# Allegro board BRD_05101_01_rev_b01_aa.brd (continued)
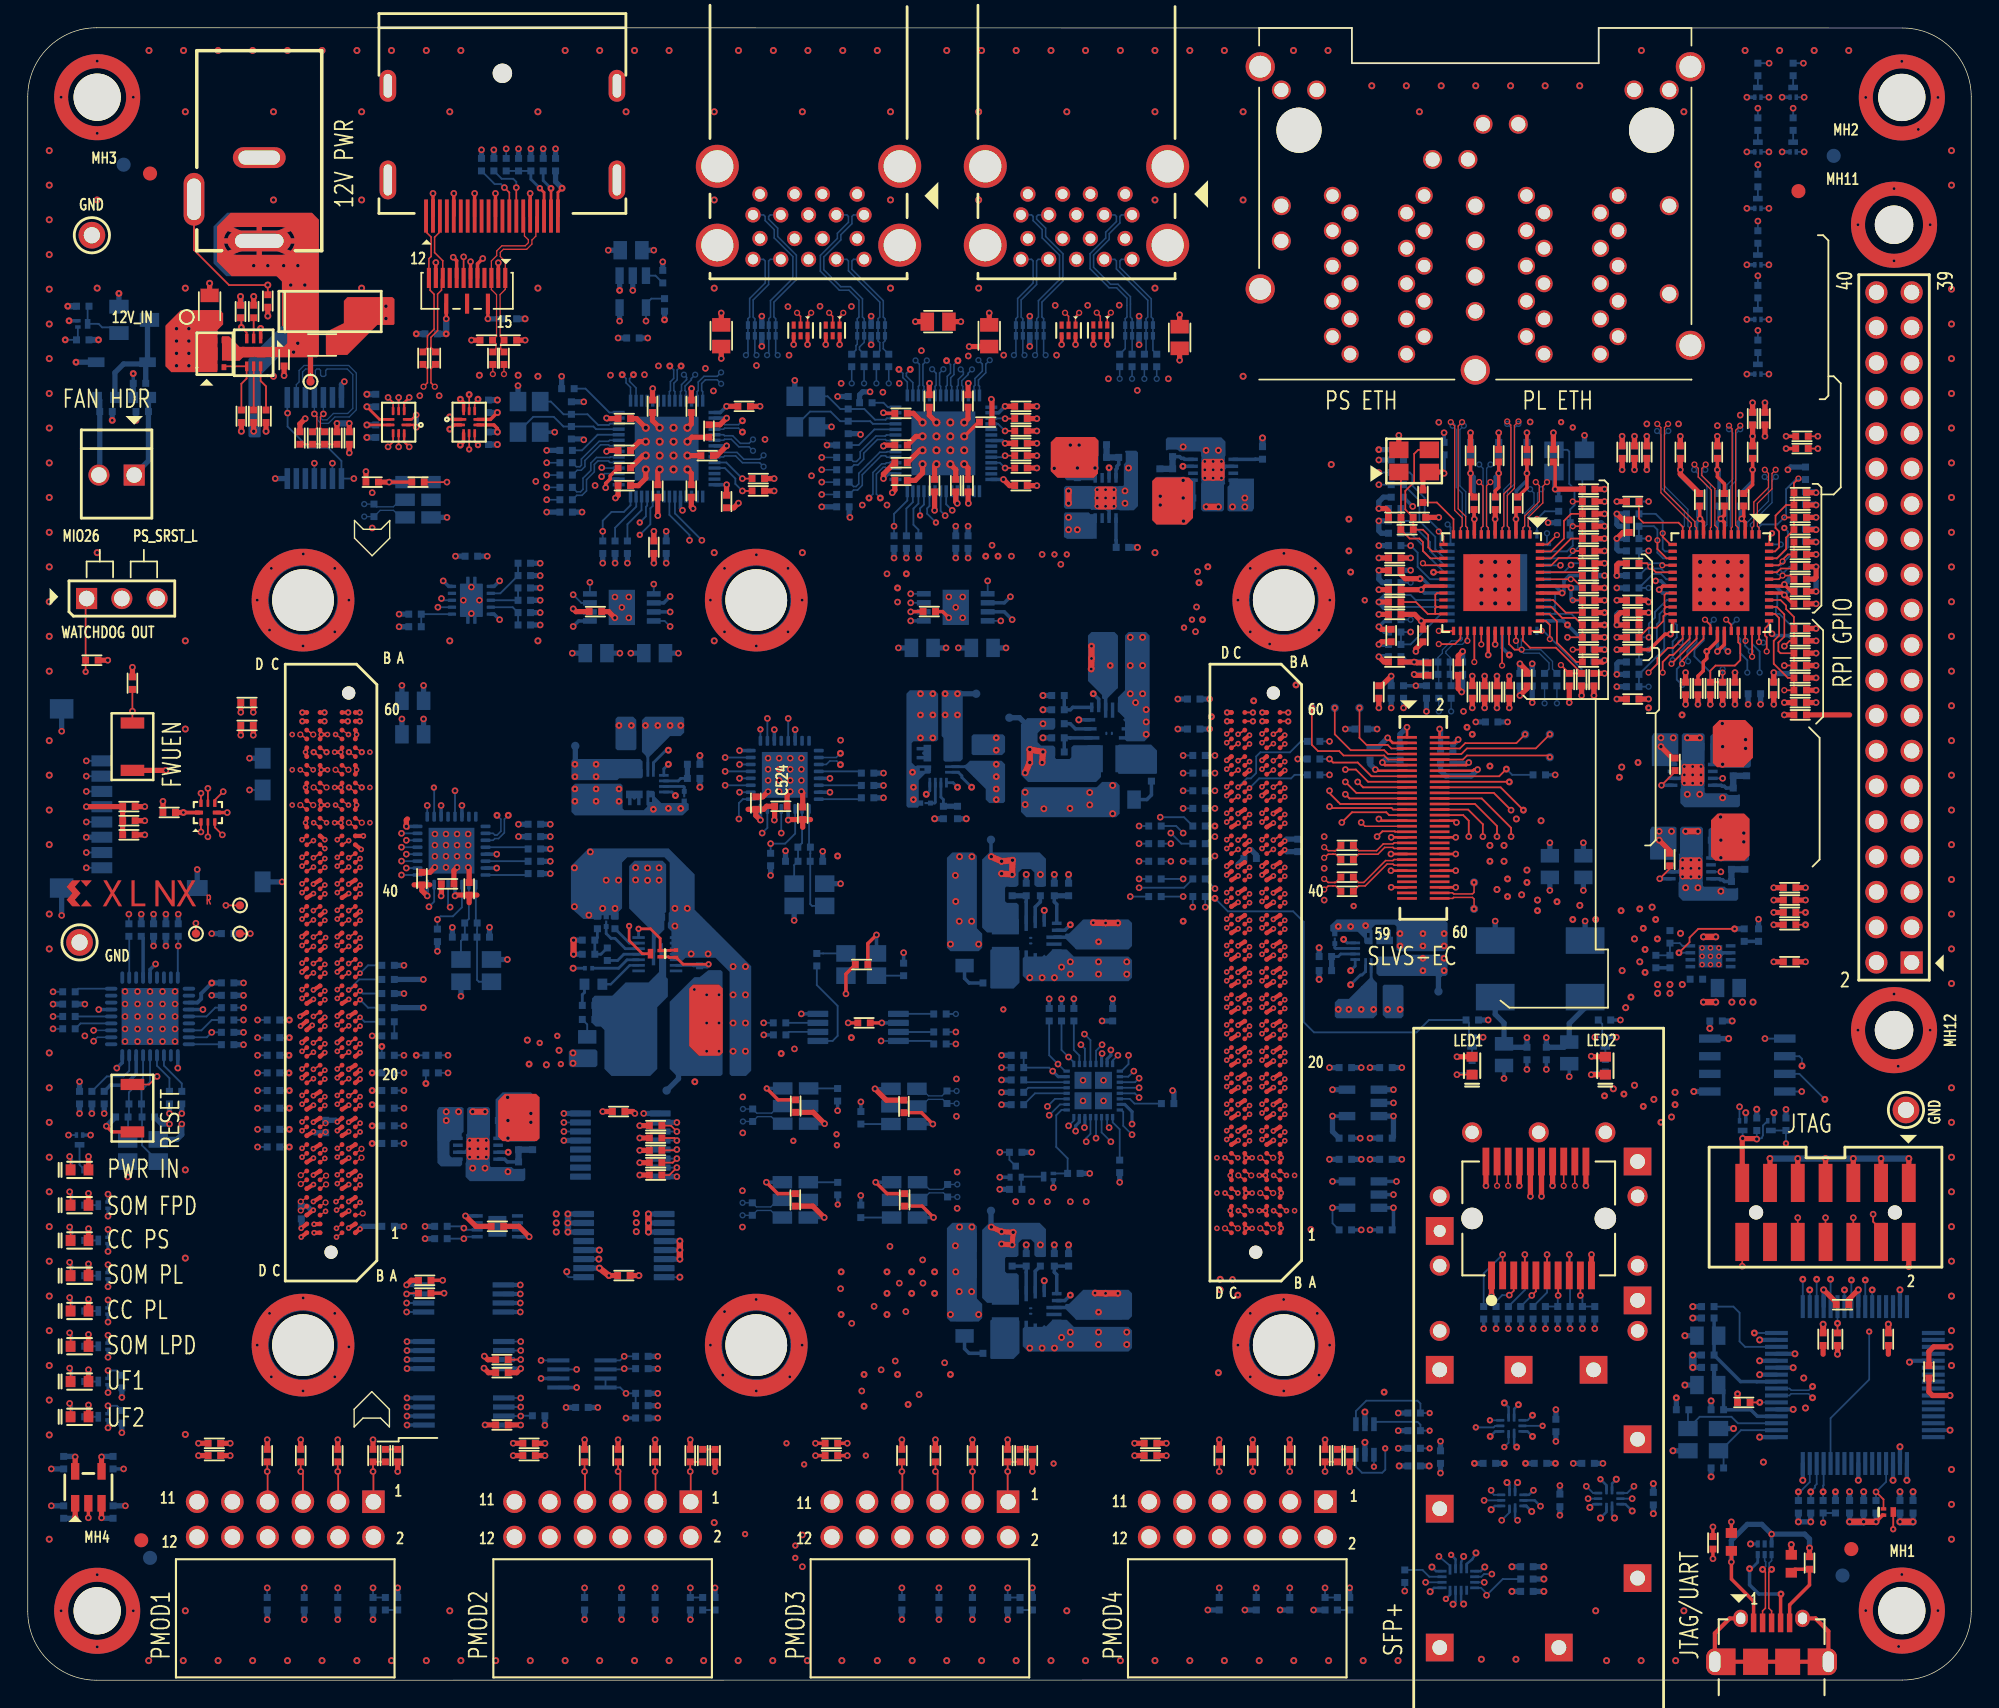
[diagram p0: board, top side]
## Routing (per net, layer and track width the routed paths; a pad name or vN(x,y) marks a point on that pad's centre or on a via; arc(x,y) is an arc through that point) (continued)
GEM2_LED0_CA: length 31.7
  L10_SIG w0.102: J10.B13 106.47,103.3 106.47,107.23 107.49,108.25 114.56,108.25 115.62,107.19 115.62,104.69 117.01,103.3 124.13,103.3 124.63,102.79 v5(124.63,101.14)
  BOTTOM w0.132: R371.2 v5(124.63,101.14)
GEM2_LED1_CA: length 14.9
  L10_SIG w0.102: J10.B12 119.42,107.36 125.4,107.36 127.17,109.14 v5(127.17,113.2)
  BOTTOM w0.132: R363.2 v5(127.17,113.2)
GEM2_RBIAS: length 6.4
  BOTTOM w0.132: R377.1 127.36,86.46 126.67,85.77 126.67,83.87 126.03,83.23 124.89,83.23 124.72,83.06 U79.12
GEM2_TD_A_N: length 39.7
  L12_SIG w0.091: J10.B1 107.96,105.83 107.84,105.71 106.73,105.71 105.46,104.44 105.46,95.8 106.35,94.92 106.35,93.9 107.74,92.5 110.41,92.5 112.95,89.96 112.95,89.07 114.09,87.93 117.27,87.93 117.9,88.57 117.9,89.68 v4(118.18,89.96)
  BOTTOM w0.094: U79.2 119.72,82.99 119.59,83.11 119.59,84.31 117.9,86 117.9,89.68 v4(118.18,89.96)
GEM2_TD_A_P: length 39.7
  L12_SIG w0.091: J10.B2 108.14,105.65 107.94,105.46 106.83,105.46 105.71,104.34 105.71,95.91 106.6,95.02 106.6,94 107.85,92.76 110.52,92.76 113.2,90.07 113.2,89.18 114.2,88.18 116.36,88.18 116.47,88.29 116.47,88.47 116.58,88.57 116.73,88.57 116.84,88.47 116.84,88.29 116.94,88.18 117.16,88.18 117.65,88.67 117.65,88.92 117.56,89.01 117.37,89.01 117.28,89.1 117.28,89.28 117.37,89.37 117.56,89.37 117.65,89.47 117.65,89.68 v4(117.37,89.96)
  BOTTOM w0.094: U79.1 119.22,82.99 119.34,83.11 119.34,84.21 117.65,85.9 117.65,89.68 v4(117.37,89.96)
GEM2_TD_B_N: length 39.5
  L12_SIG w0.091: J10.B3 107.96,103.29 107.87,103.2 106.91,103.2 106.47,102.77 106.47,96.21 107.36,95.32 107.36,94.43 108.15,93.65 110.54,93.65 112.44,91.74 118.94,91.74 119.93,90.75 119.93,89.56 117.9,87.53 117.9,86.44 118.19,86.15 120.3,86.15 120.57,86.42 120.57,86.89 v4(120.85,87.17)
  BOTTOM w0.094: U79.5 121.22,86.12 120.57,86.77 120.57,86.89 v4(120.85,87.17)
GEM2_TD_B_P: length 39.5
  L12_SIG w0.091: v4(120.04,87.17) 120.32,86.89 120.32,86.53 120.2,86.41 119.89,86.41 119.8,86.5 119.8,86.66 119.71,86.75 119.53,86.75 119.44,86.66 119.44,86.5 119.34,86.41 119.16,86.41 119.07,86.5 119.07,86.66 118.98,86.75 118.8,86.75 118.7,86.66 118.7,86.5 118.61,86.41 118.29,86.41 118.16,86.54 118.16,87.42 120.19,89.45 120.19,90.85 119.05,91.99 112.55,91.99 110.64,93.9 108.25,93.9 107.62,94.53 107.62,95.42 106.73,96.31 106.73,102.66 107.01,102.95 107.97,102.95 108.14,103.11 J10.B4
  BOTTOM w0.094: U79.4 120.72,82.99 120.96,83.24 120.96,86.01 120.32,86.66 120.32,86.89 v4(120.04,87.17)
GEM2_TD_C_N: length 31.3
  L12_SIG w0.091: v4(123.36,90.09) 123.09,90.37 123.09,90.6 119.79,93.9 113.31,93.9 111.81,95.4 111.81,100.35 110.15,102.01 109.22,102.01 109.05,101.84 J10.B5
  BOTTOM w0.094: U79.8 122.72,82.99 122.65,83.05 122.65,85.97 123.09,86.4 123.09,89.81 v4(123.36,90.09)
GEM2_TD_C_P: length 31.3
  L12_SIG w0.091: J10.B6 109.23,101.66 109.32,101.75 110.05,101.75 111.55,100.25 111.55,95.3 113.2,93.65 119.68,93.65 121.95,91.38 121.95,91.25 121.8,91.09 121.8,90.97 121.93,90.84 122.06,90.84 122.21,90.99 122.34,90.99 122.83,90.5 122.83,90.37 v4(122.55,90.09)
  BOTTOM w0.094: v4(122.55,90.09) 122.83,89.81 122.83,86.51 122.4,86.08 122.4,83.16 122.22,82.97 U79.7
GEM2_TD_D_N: length 32.2
  L12_SIG w0.091: J10.B7 109.05,99.3 109.22,99.47 110.03,99.47 110.79,98.7 110.79,95.15 112.93,93.01 119.28,93.01 121.08,91.21 121.08,89.18 121.82,88.44 125.25,88.44 125.65,88.04 125.65,86.94 v4(125.93,86.66)
  BOTTOM w0.094: v4(125.93,86.66) 125.65,86.38 125.65,84.8 124.09,83.25 124.09,83.11 124.22,82.99 U79.11
GEM2_TD_D_P: length 32.2
  L12_SIG w0.091: v4(125.12,86.66) 125.4,86.94 125.4,87.93 125.14,88.18 124.87,88.18 124.78,88.09 124.78,87.86 124.69,87.77 124.51,87.77 124.42,87.86 124.42,88.09 124.32,88.18 121.71,88.18 120.82,89.07 120.82,91.11 119.17,92.76 112.82,92.76 110.54,95.04 110.54,98.6 109.92,99.21 109.32,99.21 109.23,99.12 J10.B8
  BOTTOM w0.094: U79.10 123.72,82.99 123.84,83.11 123.84,83.35 125.4,84.91 125.4,86.38 v4(125.12,86.66)
GEM2_XTAL_IN: length 99.5
  L03_SIG w0.102: v6(73.96,81.07) 74.72,81.83 76.37,81.83 78.53,83.99 94.28,83.99 95.68,85.39 101.89,85.39 102.92,84.37 109.27,84.37 111.17,82.47 111.93,82.47 112.14,82.67 113.92,82.67 114.35,83.1 125.78,83.1 125.9,82.98 v6(126.54,82.98)
  L05_SIG w0.102: v5(66.86,45.82) 66.03,46.64 66.03,51.22 64.95,52.31 64.95,59.37 65.83,60.25 65.83,66.73 73.96,74.86 v6(73.96,81.07)
  BOTTOM w0.132: U79.15 126,80.79 126.79,81.58 126.79,82.72 v6(126.54,82.98) ; R478.2 v5(66.86,45.82)
GEM2_XTAL_IN_R: length 3.9
  BOTTOM w0.132: v5(61.47,46.04) U91.8 65.04,46.04 R478.1
GEM3_13_NC: length 1.2
  TOP w0.127: v3(117.78,82.6) 117.78,82.34 118.33,81.79 U80.13
GEM3_48_NC: length 0.9
  TOP w0.127: U80.48 125.44,82.39 v6(125.65,82.6)
GEM3_GPIO0: length 6.9
  TOP w0.127: v5(126.54,73.07) R390.1 R381.2 126.26,73.96 126.11,74.11 126.11,74.72 126.54,75.15 126.54,76.75 126,77.29 U80.39
GEM3_GPIO1: length 5
  TOP w0.127: U80.40 126.26,77.79 126.67,77.39 126.67,77.14 127.23,76.57 R380.2 R389.1 126.92,74.85 v5(126.54,74.47)
GEM3_INT_PWDN: length 2
  TOP w0.127: R379.2 127.1,80.06 126.28,80.06 126.02,79.79 U80.44
GEM3_JTAG: length 5.9
  TOP w0.127: U80.20 118.48,78.28 118.03,78.28 117.9,78.15 117.9,77.39 118,77.29 ; 118,77.29 117.9,77.19 117.9,76.88 117.99,76.79 ; 118,77.29 U80.22 ; 117.99,76.79 U80.23 ; 117.99,76.79 117.83,76.63 117.83,76.28 117.34,75.79 116.75,75.79 R397.2
GEM3_LED0_CA: length 21
  L10_SIG w0.102: J10.A13 113.25,112.05 116.3,109.01 120.44,109.01 v5(124.63,113.2)
  BOTTOM w0.132: R400.2 v5(124.63,113.2)
GEM3_LED1_CA: length 24.4
  L03_SIG w0.102: v5(125.44,116.45) 123.94,116.45 121.83,114.34 121.83,110.39 120.76,109.31 115.09,109.31 113.26,111.14 113.26,113.82 113.96,114.52 J10.A12
  BOTTOM w0.132: R388.2 v5(125.44,116.45)
GEM3_RBIAS: length 5.2
  TOP w0.127: R402.1 116.07,83.67 116.38,83.36 118.92,83.36 119.22,83.06 U80.12
GEM3_TD_A_N: length 40
  TOP w0.094: U80.2 124.22,82.99 124.34,83.11 124.34,84.84 125.4,85.9 125.4,86.91 v3(125.13,87.17)
  L03_SIG w0.091: v3(125.13,87.17) 125.4,87.43 125.4,87.65 125.3,87.74 125.12,87.74 125.03,87.83 125.03,88.02 125.12,88.11 125.3,88.11 125.4,88.2 125.4,88.38 125.3,88.47 125.12,88.47 125.03,88.56 125.03,88.75 125.12,88.84 125.3,88.84 125.4,88.93 125.4,89.11 125.78,89.5 125.78,93.26 126.54,94.03 126.54,98.98 125.9,99.61 124.25,99.61 121.84,102.03 121.84,105.46 119.87,107.42 116.47,107.42 115.67,108.23 113.69,108.23 113.38,107.92 113.38,107.01 113.47,106.92 J10.A1
GEM3_TD_A_P: length 39.9
  TOP w0.094: v3(125.91,87.17) 125.65,86.91 125.65,85.79 124.59,84.74 124.59,83.11 124.72,82.99 U80.1
  L03_SIG w0.091: v3(125.91,87.17) 125.65,87.43 125.65,89.01 126.03,89.39 126.03,93.16 126.79,93.92 126.79,99.08 126.01,99.87 124.36,99.87 122.09,102.13 122.09,105.56 119.98,107.68 116.58,107.68 115.77,108.48 113.59,108.48 113.13,108.02 113.13,106.91 113.29,106.74 J10.A2
GEM3_TD_B_N: length 33.7
  TOP w0.094: U80.5 122.72,82.99 122.78,83.05 122.78,90.12 v3(122.55,90.34)
  L03_SIG w0.091: v3(122.55,90.34) 122.83,90.06 122.83,89.85 122.74,89.76 122.45,89.76 122.36,89.66 122.36,89.48 122.45,89.39 122.74,89.39 122.83,89.3 122.83,88.91 122.61,88.69 121.33,88.69 120.95,89.07 120.95,92.76 122.09,93.9 122.09,99.87 118.76,103.2 114.65,103.2 114.56,103.29 J10.A3
GEM3_TD_B_P: length 33.7
  TOP w0.094: v3(123.36,90.34) 123.03,90.01 123.03,83.17 123.22,82.99 U80.4
  L03_SIG w0.091: v3(123.36,90.34) 123.09,90.06 123.09,88.81 122.72,88.44 121.23,88.44 120.7,88.97 120.7,92.86 121.84,94 121.84,99.76 118.66,102.95 114.55,102.95 114.38,103.11 J10.A4
GEM3_TD_C_N: length 28
  TOP w0.094: U80.8 121.22,82.99 121.28,83.05 121.28,85.71 120.34,86.65 120.34,87.27 v3(120.06,87.55)
  L03_SIG w0.091: J10.A5 114.56,100.75 114.68,100.63 115.62,100.63 116.51,99.74 116.51,95.55 119.93,92.12 119.93,89.33 118.41,87.8 118.41,86.66 118.79,86.28 119.04,86.28 119.14,86.37 119.14,86.64 119.23,86.73 119.41,86.73 119.5,86.64 119.5,86.37 119.59,86.28 119.86,86.28 120.34,86.76 120.34,87.27 v3(120.06,87.55)
GEM3_TD_C_P: length 28
  TOP w0.094: U80.7 121.72,82.97 121.54,83.16 121.54,85.82 120.59,86.76 120.59,87.27 v3(120.87,87.55)
  L03_SIG w0.091: v3(120.87,87.55) 120.59,87.27 120.59,86.66 119.96,86.03 118.69,86.03 118.16,86.56 118.16,87.91 119.68,89.43 119.68,92.02 116.25,95.45 116.25,99.64 115.51,100.38 114.58,100.38 114.38,100.57 J10.A6
GEM3_TD_D_N: length 24.9
  TOP w0.094: U80.11 119.72,82.99 119.84,83.11 119.84,83.33 117.65,85.52 117.65,90.21 v3(117.39,90.47)
  L03_SIG w0.091: v3(117.39,90.47) 117.65,90.73 117.65,91.36 115.62,93.39 112.57,93.39 111.68,94.28 111.68,98.7 112.44,99.47 113.31,99.47 113.47,99.3 J10.A7
GEM3_TD_D_P: length 24.9
  TOP w0.094: v3(118.17,90.47) 117.9,90.21 117.9,85.62 120.09,83.43 120.09,83.11 120.22,82.99 U80.10
  L03_SIG w0.091: J10.A8 113.29,99.12 113.2,99.21 112.55,99.21 111.93,98.6 111.93,94.39 112.67,93.65 115.72,93.65 117.36,92.01 117.49,92.01 117.66,92.17 117.79,92.17 117.92,92.05 117.92,91.92 117.75,91.75 117.75,91.62 117.9,91.46 117.9,90.73 v3(118.17,90.47)
GEM3_XTAL_IN: length 87.8
  TOP w0.127: v3(117.39,82.09) 117.39,81.45 118.06,80.79 U80.15
  L03_SIG w0.102: v3(117.39,82.09) 117.39,82.34 117.01,82.72 115.62,82.72 114.65,81.76 112.14,81.76 111.93,81.96 104.31,81.96 101.27,85.01 95.93,85.01 94.41,83.49 85.35,83.49 84.61,82.75 78.17,82.75 76.5,81.07 v6(74.85,81.07)
  L05_SIG w0.102: v5(66.86,46.68) 66.98,46.8 66.98,51.48 65.71,52.75 65.71,59.23 66.47,59.99 66.47,66.47 74.85,74.85 v6(74.85,81.07)
  BOTTOM w0.132: R480.2 v5(66.86,46.68)
GEM3_XTAL_IN_R: length 2.5
  BOTTOM w0.132: U91.7 62.72,46.68 R480.1
GTH_DP0_C2M_C_N: length 4.3
  TOP w0.114: J22.41 98.42,59.9 98.34,59.97 97.75,59.97 97.26,59.48 95.88,59.48 C547.2
GTH_DP0_C2M_C_P: length 4.3
  TOP w0.114: J22.39 98.42,60.3 98.34,60.22 97.65,60.22 97.16,59.74 95.88,59.74 C546.2
GTH_DP0_C2M_N: length 28.4
  TOP w0.114: JA2.B10 v3(89.71,37.62) ; v3(93.39,59.23) 93.68,59.48 94.21,59.48 C547.1
  L03_SIG w0.112: v3(89.71,37.62) 89.49,37.62 89.38,37.73 89.38,37.96 89.49,38.07 90.99,38.07 91.48,38.56 91.66,38.56 91.72,38.5 91.91,38.5 92.04,38.63 92.04,38.81 91.98,38.88 91.98,39.06 92.15,39.23 92.15,54.36 91.54,54.97 91.54,58.83 92.19,59.48 93.14,59.48 v3(93.39,59.23)
GTH_DP0_C2M_P: length 28.4
  TOP w0.114: v3(93.39,59.99) 93.68,59.74 94.21,59.74 C546.1 ; JA2.B9 v3(88.79,37.62)
  L03_SIG w0.112: v3(88.79,37.62) 89.01,37.62 89.12,37.73 89.12,38.07 89.38,38.33 90.88,38.33 91.89,39.34 91.89,54.25 91.28,54.86 91.28,58.94 92.08,59.74 93.14,59.74 v3(93.39,59.99)
GTH_DP0_M2C_N_NC: length 0.6
  TOP w0.114: JA2.D10 v1(87.17,37.62)
GTH_DP0_M2C_P_NC: length 0.6
  TOP w0.114: JA2.D9 v1(86.25,37.62)
GTH_DP1_C2M_C_N: length 4.7
  TOP w0.114: J22.47 98.42,58.7 98.34,58.77 97.92,58.77 96.34,57.2 95.88,57.2 C545.1
GTH_DP1_C2M_C_P: length 4.7
  TOP w0.114: J22.45 98.42,59.1 98.34,59.02 97.81,59.02 96.24,57.45 95.88,57.45 C544.1
GTH_DP1_C2M_N: length 39.1
  TOP w0.114: v3(93.39,56.94) 93.68,57.2 94.21,57.2 C545.2 ; JA2.D2 v3(87.17,32.54)
  L03_SIG w0.112: v3(87.17,32.54) 86.95,32.54 86.84,32.43 86.84,31.69 86.51,31.36 85.21,31.36 84.68,31.89 84.68,36.28 85.45,37.04 87.26,37.04 87.44,37.22 88.54,37.22 88.71,37.04 89.74,37.04 89.88,37.18 91.68,37.18 93.06,38.57 93.06,48.67 93.56,49.17 93.56,54.67 93.92,55.02 93.92,57.08 93.8,57.2 93.65,57.2 v3(93.39,56.94)
GTH_DP1_C2M_P: length 39.1
  TOP w0.114: v3(93.39,57.7) 93.68,57.45 94.21,57.45 C544.2 ; JA2.D1 v3(86.25,32.54)
  L03_SIG w0.112: v3(93.39,57.7) 93.65,57.45 93.91,57.45 94.17,57.19 94.17,54.91 93.82,54.56 93.82,49.07 93.32,48.56 93.32,38.46 91.78,36.93 89.99,36.93 89.85,36.79 88.61,36.79 88.43,36.97 87.54,36.97 87.37,36.79 85.55,36.79 84.93,36.17 84.93,33.44 85.06,33.3 85.18,33.3 85.31,33.17 85.31,32.99 85.18,32.86 85.06,32.86 84.93,32.73 84.93,32 85.31,31.62 86.41,31.62 86.58,31.8 86.58,32.43 86.47,32.54 v3(86.25,32.54)
GTH_DP1_M2C_N_NC: length 0.6
  TOP w0.114: JA2.C8 v3(88.13,36.35)
GTH_DP1_M2C_P_NC: length 0.6
  TOP w0.114: JA2.C7 v3(87.21,36.35)
GTH_DP2_C2M_N: length 33.2
  TOP w0.114: JA2.B2 v3(89.71,32.54) ; J23.12 v3(111.45,35.61)
  L03_SIG w0.112: v3(89.71,32.54) 89.49,32.54 89.38,32.65 89.38,32.95 89.49,33.07 89.8,33.07 89.91,32.96 90.68,32.96 97,26.64 103,26.64 104.7,28.34 107.06,28.34 108.78,30.07 108.78,30.88 111.17,33.27 111.17,35.33 v3(111.45,35.61)
GTH_DP2_C2M_P: length 33.2
  TOP w0.114: J23.13 v3(110.65,35.61) ; JA2.B1 v3(88.79,32.54)
  L03_SIG w0.112: v3(88.79,32.54) 89.01,32.54 89.12,32.65 89.12,33.06 89.38,33.32 89.9,33.32 90.01,33.21 90.78,33.21 91.05,32.95 91.12,32.95 91.45,32.61 91.45,32.54 97.1,26.89 102.89,26.89 104.59,28.6 106.96,28.6 108.53,30.17 108.53,30.99 110.92,33.38 110.92,35.33 v3(110.65,35.61)
GTH_DP2_M2C_N: length 28.5
  TOP w0.114: JA2.B6 v3(89.71,35.08) ; v3(105.85,35.61) J23.19
  L03_SIG w0.112: v3(89.71,35.08) 89.49,35.08 89.38,34.97 89.38,34.59 89.49,34.48 89.78,34.48 89.97,34.66 90.72,34.66 90.85,34.8 90.85,35.1 90.98,35.23 91.17,35.23 91.3,35.1 91.3,34.8 91.43,34.66 91.79,34.66 92.76,33.7 92.76,33.45 97.71,28.49 102.43,28.49 106.12,32.18 106.12,35.33 v3(105.85,35.61)
GTH_DP2_M2C_P: length 28.6
  TOP w0.114: v3(106.65,35.61) J23.18 ; JA2.B5 v3(88.79,35.08)
  L03_SIG w0.112: v3(106.65,35.61) 106.37,35.33 106.37,32.07 102.54,28.24 97.6,28.24 92.5,33.34 92.5,33.6 91.69,34.41 90.08,34.41 89.89,34.22 89.38,34.22 89.12,34.48 89.12,34.97 89.01,35.08 v3(88.79,35.08)
GTH_DP3_C2M_N_NC: length 0.6
  TOP w0.114: v1(87.17,35.08) JA2.D6
GTH_DP3_C2M_P_NC: length 0.6
  TOP w0.114: JA2.D5 v1(86.25,35.08)
GTH_DP3_M2C_N_NC: length 0.6
  TOP w0.114: JA2.A4 v1(90.67,33.81)
GTH_DP3_M2C_P_NC: length 0.6
  TOP w0.114: JA2.A3 v1(89.75,33.81)
GTH_REFCLK0_C2M_N: length 26.5
  TOP w0.094: JA2.C4 v1(88.13,33.81)
  L12_SIG w0.091: v1(88.13,33.81) 87.89,33.81 87.8,33.72 87.8,33.31 87.56,33.07 86.98,33.07 86.9,33.16 70.29,33.16 68.32,35.12 67.29,35.12 v4(66.96,34.8)
  BOTTOM w0.094: U90.5 64.44,34.59 64.94,35.1 65.97,35.1 R497.1 v4(66.96,34.8)
GTH_REFCLK0_C2M_P: length 26.5
  TOP w0.094: JA2.C3 v1(87.21,33.81)
  L12_SIG w0.091: v1(87.21,33.81) 87.45,33.81 87.54,33.72 87.54,33.42 87.45,33.33 87.09,33.33 87,33.41 86.09,33.41 85.98,33.52 85.98,33.63 85.87,33.73 85.72,33.73 85.61,33.63 85.61,33.52 85.51,33.41 70.39,33.41 68.42,35.38 67.29,35.38 v4(66.96,35.7)
  BOTTOM w0.094: v4(66.96,35.7) R497.2 65.92,35.35 64.94,35.35 64.44,35.86 U90.4
GTH_REFCLK1_C2M_N: length 38.7
  TOP w0.094: JA2.A8 v1(90.67,36.35)
  L12_SIG w0.091: v4(66.91,41.53) 66.59,41.85 64.95,41.85 64.04,40.95 64.04,39.34 64.66,38.72 67.9,38.72 69.49,37.13 73.58,37.13 75.39,35.32 82.34,35.32 84.14,37.13 89.08,37.13 89.19,37.24 89.19,37.37 89.3,37.48 89.45,37.48 89.56,37.37 89.56,37.24 89.66,37.13 89.97,37.13 90.34,36.76 90.34,36.44 90.43,36.35 v1(90.67,36.35)
  BOTTOM w0.094: v4(66.91,41.53) R493.1 65.92,41.83 64.87,41.83 64.36,41.32 U88.5
GTH_REFCLK1_C2M_P: length 38.7
  TOP w0.094: JA2.A7 v1(89.75,36.35)
  L12_SIG w0.091: v4(66.91,42.43) 66.59,42.11 64.84,42.11 63.79,41.05 63.79,39.23 64.56,38.46 67.8,38.46 69.38,36.88 73.47,36.88 75.28,35.07 82.44,35.07 84.25,36.88 89.87,36.88 90.08,36.66 90.08,36.44 89.99,36.35 v1(89.75,36.35)
  BOTTOM w0.094: v4(66.91,42.43) R493.2 65.87,42.08 64.89,42.08 64.38,42.59 U88.4
GTR_DP0_C2M_N: length 86.7
  TOP w0.094: v6(24.06,66.83) JA1.A56
  L12_SIG w0.091: v6(24.06,66.83) 23.82,66.83 23.73,66.74 23.73,66.37 23.82,66.27 24.97,66.27 25.39,66.7 25.39,66.85 25.3,66.94 25.3,67.09 25.41,67.2 25.56,67.2 25.65,67.11 25.8,67.11 25.91,67.22 25.91,67.37 25.82,67.46 25.82,67.61 25.93,67.71 26.08,67.71 26.17,67.63 26.32,67.63 26.94,68.25 35.4,68.25 38.99,71.83 87.38,71.83 87.9,72.35 92.12,72.35 93.43,71.04 93.43,69.79 93.81,69.41 100.46,69.41 100.66,69.21 101.85,69.21 101.96,69.32 101.96,69.68 101.87,69.77 v4(101.65,69.77)
  BOTTOM w0.094: C551.1 v4(101.65,69.77)
GTR_DP0_C2M_P: length 86.7
  TOP w0.094: v6(23.13,66.83) JA1.A55
  L12_SIG w0.091: v6(23.13,66.83) 23.38,66.83 23.47,66.74 23.47,66.26 23.71,66.02 25.07,66.02 27.04,67.99 35.51,67.99 39.09,71.58 87.48,71.58 88,72.1 92.01,72.1 93.17,70.94 93.17,69.69 93.71,69.15 100.36,69.15 100.55,68.96 101.96,68.96 102.22,69.22 102.22,69.67 102.31,69.77 v4(102.54,69.77)
  BOTTOM w0.094: C552.1 v4(102.54,69.77)
GTR_DP0_M2C_N: length 100
  TOP w0.094: v1(23.1,68.1) JA1.B58
  L12_SIG w0.091: v1(23.1,68.1) 22.86,68.1 22.77,68.19 22.77,68.69 22.15,69.3 22.15,69.52 22.26,69.63 22.58,69.63 22.69,69.73 22.69,69.88 22.58,69.99 22.26,69.99 22.15,70.1 22.15,71.9 23.42,73.17 72.96,73.17 75.65,75.86 80.99,75.86 83.66,73.19 93.47,73.19 95.87,70.79 100.17,70.79 101.41,72.04 103.22,72.04 103.99,71.27 104.91,71.27 105.07,71.43 108.25,71.43 108.78,70.9 109.49,70.9 109.58,70.8 109.58,70.44 109.49,70.35 v4(109.27,70.35)
  BOTTOM w0.094: C550.1 v4(109.27,70.35)
GTR_DP0_M2C_P: length 100
  TOP w0.094: v1(22.17,68.1) JA1.B57
  L12_SIG w0.091: v4(110.16,70.35) 109.93,70.35 109.84,70.44 109.84,70.91 109.59,71.15 108.88,71.15 108.35,71.68 104.96,71.68 104.8,71.52 104.1,71.52 103.33,72.29 101.31,72.29 100.06,71.05 95.97,71.05 93.58,73.44 83.77,73.44 81.09,76.11 75.54,76.11 72.85,73.42 23.31,73.42 21.9,72.01 21.9,69.2 22.51,68.58 22.51,68.19 22.42,68.1 v1(22.17,68.1)
  BOTTOM w0.094: C549.1 v4(110.16,70.35)
GTR_DP1_C2M_N_NC: length 0.6
  TOP w0.114: JA1.C56 v6(21.52,66.83)
GTR_DP1_C2M_P_NC: length 0.6
  TOP w0.114: JA1.C55 v6(20.59,66.83)
GTR_DP1_M2C_N: length 52.8
  TOP w0.114: JA1.A48 v3(24.06,61.75) ; v3(29.32,93.15) 29.04,93.43 29.04,94.44 C118.1
  L03_SIG w0.112: v3(24.06,61.75) 23.84,61.75 23.73,61.64 23.73,61.32 23.34,60.93 17.2,60.93 14.61,63.52 14.61,78.87 25.06,89.32 25.06,93.61 25.5,94.05 28.69,94.05 29.04,93.7 29.04,93.43 v3(29.32,93.15)
GTR_DP1_M2C_P: length 53
  TOP w0.114: v3(28.51,93.15) 28.79,93.43 28.79,94.44 C117.1 ; JA1.A47 v3(23.13,61.75)
  L03_SIG w0.112: v3(23.13,61.75) 23.36,61.75 23.47,61.64 23.47,61.43 23.23,61.18 19.18,61.18 19.05,61.32 19.05,61.64 18.93,61.75 18.75,61.75 18.6,61.61 18.6,61.32 18.47,61.18 18.28,61.18 18.15,61.32 18.15,61.71 18.02,61.84 17.84,61.84 17.7,61.71 17.7,61.32 17.57,61.18 17.31,61.18 14.87,63.63 14.87,78.76 25.32,89.21 25.32,93.5 25.61,93.79 28.59,93.79 28.79,93.59 28.79,93.43 v3(28.51,93.15)
GTR_DP2_C2M_C_N: length 5.3
  BOTTOM w0.114: C309.2 39.55,85.58 39.82,85.58 40,85.76 40,86.56 40.56,87.12 40.56,87.65 40.96,88.05 41.93,88.05 41.97,88.09 U43.48
GTR_DP2_C2M_C_P: length 5.3
  BOTTOM w0.114: U43.47 41.94,87.69 41.87,87.77 41.83,87.8 41.07,87.8 40.81,87.55 40.81,87.02 40.25,86.45 40.25,85.65 39.93,85.33 39.55,85.33 C310.2
GTR_DP2_C2M_N: length 34.1
  TOP w0.114: JA1.B54 v3(23.1,65.56)
  L03_SIG w0.112: v3(23.1,65.56) 22.88,65.56 22.77,65.45 22.77,65.27 22.88,65.15 24.16,65.15 24.4,65.4 24.4,65.58 24.31,65.67 24.31,65.85 24.44,65.99 24.63,65.99 24.72,65.9 24.9,65.9 25.29,66.29 25.29,78.31 28.11,81.13 28.11,83.34 30.36,85.58 37.07,85.58 v5(37.38,85.9)
  BOTTOM w0.114: C309.1 v5(37.38,85.9)
GTR_DP2_C2M_P: length 34.1
  TOP w0.114: JA1.B53 v3(22.17,65.56)
  L03_SIG w0.112: v3(22.17,65.56) 22.4,65.56 22.51,65.45 22.51,65.16 22.77,64.9 24.26,64.9 25.55,66.18 25.55,78.2 28.37,81.02 28.37,83.23 30.46,85.33 37.07,85.33 v5(37.38,85.01)
  BOTTOM w0.114: C310.1 v5(37.38,85.01)
GTR_DP2_M2C_C_N: length 4.5
  BOTTOM w0.114: U43.51 41.92,89.29 41.84,89.22 41.16,89.22 39.88,87.94 39.88,87.5 39.77,87.39 39.52,87.39 C315.2
GTR_DP2_M2C_C_P: length 4.5
  BOTTOM w0.114: U43.50 41.92,88.89 41.84,88.97 41.27,88.97 40.14,87.84 40.14,87.4 39.87,87.14 39.58,87.14 C316.2
GTR_DP2_M2C_N: length 37.1
  TOP w0.114: JA1.D58 v3(20.56,68.1)
  L03_SIG w0.112: v3(20.56,68.1) 20.34,68.1 20.23,67.99 20.23,67.5 19.95,67.23 18.74,67.23 18,67.96 18,70.3 24.05,76.35 24.05,78.71 26.84,81.5 26.84,84.5 29.7,87.36 37.07,87.36 v5(37.38,87.68)
  BOTTOM w0.114: v5(37.38,87.68) C315.1
GTR_DP2_M2C_P: length 37
  TOP w0.114: JA1.D57 v3(19.63,68.1)
  L03_SIG w0.112: v3(19.63,68.1) 19.86,68.1 19.97,67.99 19.97,67.61 19.85,67.48 18.84,67.48 18.26,68.07 18.26,68.32 18.39,68.45 18.59,68.45 18.72,68.58 18.72,68.76 18.59,68.89 18.39,68.89 18.26,69.02 18.26,69.21 18.39,69.34 18.59,69.34 18.72,69.47 18.72,69.66 18.59,69.79 18.39,69.79 18.26,69.92 18.26,70.2 24.3,76.24 24.3,78.61 27.1,81.4 27.1,84.4 29.81,87.1 37.07,87.1 v5(37.38,86.79)
  BOTTOM w0.114: v5(37.38,86.79) C316.1
GTR_DP3_C2M_C_N: length 5
  BOTTOM w0.114: U84.48 61.91,88.47 61.87,88.43 61.38,88.43 59.86,86.91 59.86,86.15 59.67,85.96 59.49,85.96 C534.2
GTR_DP3_C2M_C_P: length 5
  BOTTOM w0.114: U84.47 61.88,88.07 61.81,88.15 61.8,88.15 61.77,88.18 61.48,88.18 60.12,86.81 60.12,86.05 59.78,85.71 59.49,85.71 C535.2
GTR_DP3_C2M_N: length 57.4
  TOP w0.114: JA1.D50 v3(20.56,63.02)
  L03_SIG w0.112: v3(20.56,63.02) 20.34,63.02 20.23,62.91 20.23,62.67 20.34,62.56 20.77,62.56 20.82,62.6 21.95,62.6 22.11,62.43 22.78,62.43 22.95,62.6 23.82,62.6 24.08,62.86 24.27,62.86 24.53,62.6 24.72,62.6 24.97,62.86 25.16,62.86 25.42,62.6 25.75,62.6 33.24,70.1 33.24,79.68 34.71,81.15 40.91,81.15 44.9,85.14 48.69,85.14 50.34,83.49 55.41,83.49 56.16,84.23 56.16,85.5 56.61,85.96 56.88,85.96 v5(57.2,86.28)
  BOTTOM w0.114: C534.1 v5(57.2,86.28)
GTR_DP3_C2M_P: length 57.4
  TOP w0.114: JA1.D49 v3(19.63,63.02)
  L03_SIG w0.112: v5(57.2,85.39) 56.88,85.71 56.72,85.71 56.41,85.4 56.41,84.13 55.51,83.23 50.23,83.23 48.58,84.88 45,84.88 41.02,80.89 34.82,80.89 33.5,79.57 33.5,70 25.85,62.35 23.05,62.35 22.88,62.18 22.01,62.18 21.84,62.35 20.93,62.35 20.88,62.3 20.23,62.3 19.97,62.56 19.97,62.91 19.86,63.02 v3(19.63,63.02)
  BOTTOM w0.114: C535.1 v5(57.2,85.39)
GTR_DP3_M2C_C_N: length 4.5
  BOTTOM w0.114: C536.2 59.46,87.77 59.7,87.77 59.97,88.03 59.97,88.47 61.1,89.6 61.78,89.6 61.86,89.67 U84.51
GTR_DP3_M2C_C_P: length 4.5
  BOTTOM w0.114: C537.2 59.52,87.52 59.81,87.52 60.22,87.93 60.22,88.36 61.21,89.35 61.78,89.35 61.86,89.27 U84.50
GTR_DP3_M2C_N: length 56.4
  TOP w0.114: JA1.C52 v3(21.52,64.29)
  L03_SIG w0.112: v5(57.2,88.06) 56.88,87.74 49.77,87.74 48.43,86.41 44.52,86.41 42.23,84.12 40.84,84.12 39.44,82.72 31.51,82.72 27.63,78.84 27.63,66.09 26.08,64.54 25.9,64.54 25.81,64.62 25.63,64.62 25.5,64.49 25.5,64.31 25.58,64.22 25.58,64.04 25.26,63.72 23.33,63.72 23.2,63.84 21.3,63.84 21.19,63.96 21.19,64.18 21.3,64.29 v3(21.52,64.29)
  BOTTOM w0.114: C536.1 v5(57.2,88.06)
GTR_DP3_M2C_P: length 56.3
  TOP w0.114: JA1.C51 v3(20.59,64.29)
  L03_SIG w0.112: v3(20.59,64.29) 20.82,64.29 20.93,64.18 20.93,63.85 21.19,63.59 23.09,63.59 23.22,63.46 25.36,63.46 27.89,65.98 27.89,78.74 31.62,82.47 39.54,82.47 40.94,83.87 42.34,83.87 44.62,86.15 48.54,86.15 49.87,87.49 56.88,87.49 v5(57.2,87.17)
  BOTTOM w0.114: C537.1 v5(57.2,87.17)
GTR_REFCLK0_C2M_N: length 62.8
  TOP w0.094: JA1.C48 v1(21.52,61.75)
  L12_SIG w0.091: v4(51.49,34.38) 51.82,34.06 53.87,34.06 54.34,34.52 54.34,36.41 53.27,37.47 51.41,37.47 36.24,52.64 36.24,62.55 33.86,64.93 27.32,64.93 24.7,62.31 24.26,62.31 24.15,62.2 24.15,61.97 24.04,61.86 23.89,61.86 23.78,61.97 23.78,62.2 23.68,62.31 23.53,62.31 23.42,62.2 23.42,61.97 23.31,61.86 23.16,61.86 23.05,61.97 23.05,62.2 22.95,62.31 21.28,62.31 21.19,62.22 21.19,61.84 21.28,61.75 v1(21.52,61.75)
  BOTTOM w0.094: v4(51.49,34.38) R491.1 52.49,34.08 53.52,34.08 54.03,34.59 U87.5
GTR_REFCLK0_C2M_P: length 62.7
  TOP w0.094: JA1.C47 v1(20.59,61.75)
  L12_SIG w0.091: v1(20.59,61.75) 20.84,61.75 20.93,61.84 20.93,62.32 21.17,62.56 24.59,62.56 27.21,65.19 33.96,65.19 36.5,62.66 36.5,52.74 51.51,37.73 53.38,37.73 54.59,36.51 54.59,34.41 53.98,33.8 51.82,33.8 v4(51.49,33.48)
  BOTTOM w0.094: U87.4 54.04,33.32 53.53,33.83 52.54,33.83 R491.2 v4(51.49,33.48)
GTR_REFCLK1_C2M_N: length 41.1
  TOP w0.094: JA1.B50 v1(23.1,63.02)
  L12_SIG w0.091: v1(23.1,63.02) 22.86,63.02 22.77,63.11 22.77,63.59 22.53,63.83 19.29,63.83 18.08,65.05 18.08,71.02 15.53,73.57 15.53,79.76 17.73,81.96 25.5,81.96 26.23,82.69 26.23,83.79 25.65,84.37 24.56,84.37 v4(24.24,84.7)
  BOTTOM w0.094: U86.5 26.84,85.01 26.33,84.5 25.13,84.5 R499.1 v4(24.24,84.7)
GTR_REFCLK1_C2M_P: length 41.1
  TOP w0.094: JA1.B49 v1(22.17,63.02)
  L12_SIG w0.091: v1(22.17,63.02) 22.42,63.02 22.51,63.11 22.51,63.49 22.42,63.58 20.83,63.58 20.73,63.47 20.73,63.41 20.62,63.3 20.47,63.3 20.36,63.41 20.36,63.47 20.25,63.58 19.19,63.58 17.83,64.94 17.83,70.91 15.27,73.47 15.27,79.86 17.62,82.22 25.4,82.22 25.98,82.8 25.98,83.69 25.55,84.12 24.56,84.12 v4(24.24,83.8)
  BOTTOM w0.094: v4(24.24,83.8) R499.2 25.39,84.25 26.35,84.25 26.85,83.74 U86.4
GTR_REFCLK2_C2M_N: length 59.8
  TOP w0.094: JA1.D54 v8(20.56,65.56)
  L12_SIG w0.091: v4(51.52,41.14) 51.2,40.81 50.91,40.81 50.58,41.15 50.58,42.55 54.05,46.02 54.05,52.73 45.74,61.03 40.27,61.03 34.32,66.98 27.26,66.98 25.29,65 22.59,65 22.48,65.11 22.48,65.25 22.38,65.35 22.22,65.35 22.12,65.25 22.12,65.11 22.01,65 20.32,65 20.23,65.1 20.23,65.47 20.32,65.56 v8(20.56,65.56)
  BOTTOM w0.094: v4(51.52,41.14) R495.1 52.52,40.84 53.59,40.84 54.1,41.35 U89.5
GTR_REFCLK2_C2M_P: length 59.8
  TOP w0.094: JA1.D53 v8(19.63,65.56)
  L12_SIG w0.091: v4(51.52,40.24) 51.2,40.56 50.81,40.56 50.32,41.04 50.32,42.65 53.79,46.12 53.79,52.62 45.64,60.78 40.16,60.78 34.21,66.72 27.37,66.72 25.4,64.75 20.21,64.75 19.97,64.99 19.97,65.47 19.88,65.56 v8(19.63,65.56)
  BOTTOM w0.094: U89.4 54.07,40.08 53.56,40.58 52.57,40.58 R495.2 v4(51.52,40.24)
